# KiCad board Duet2.kicad_pcb (continued)
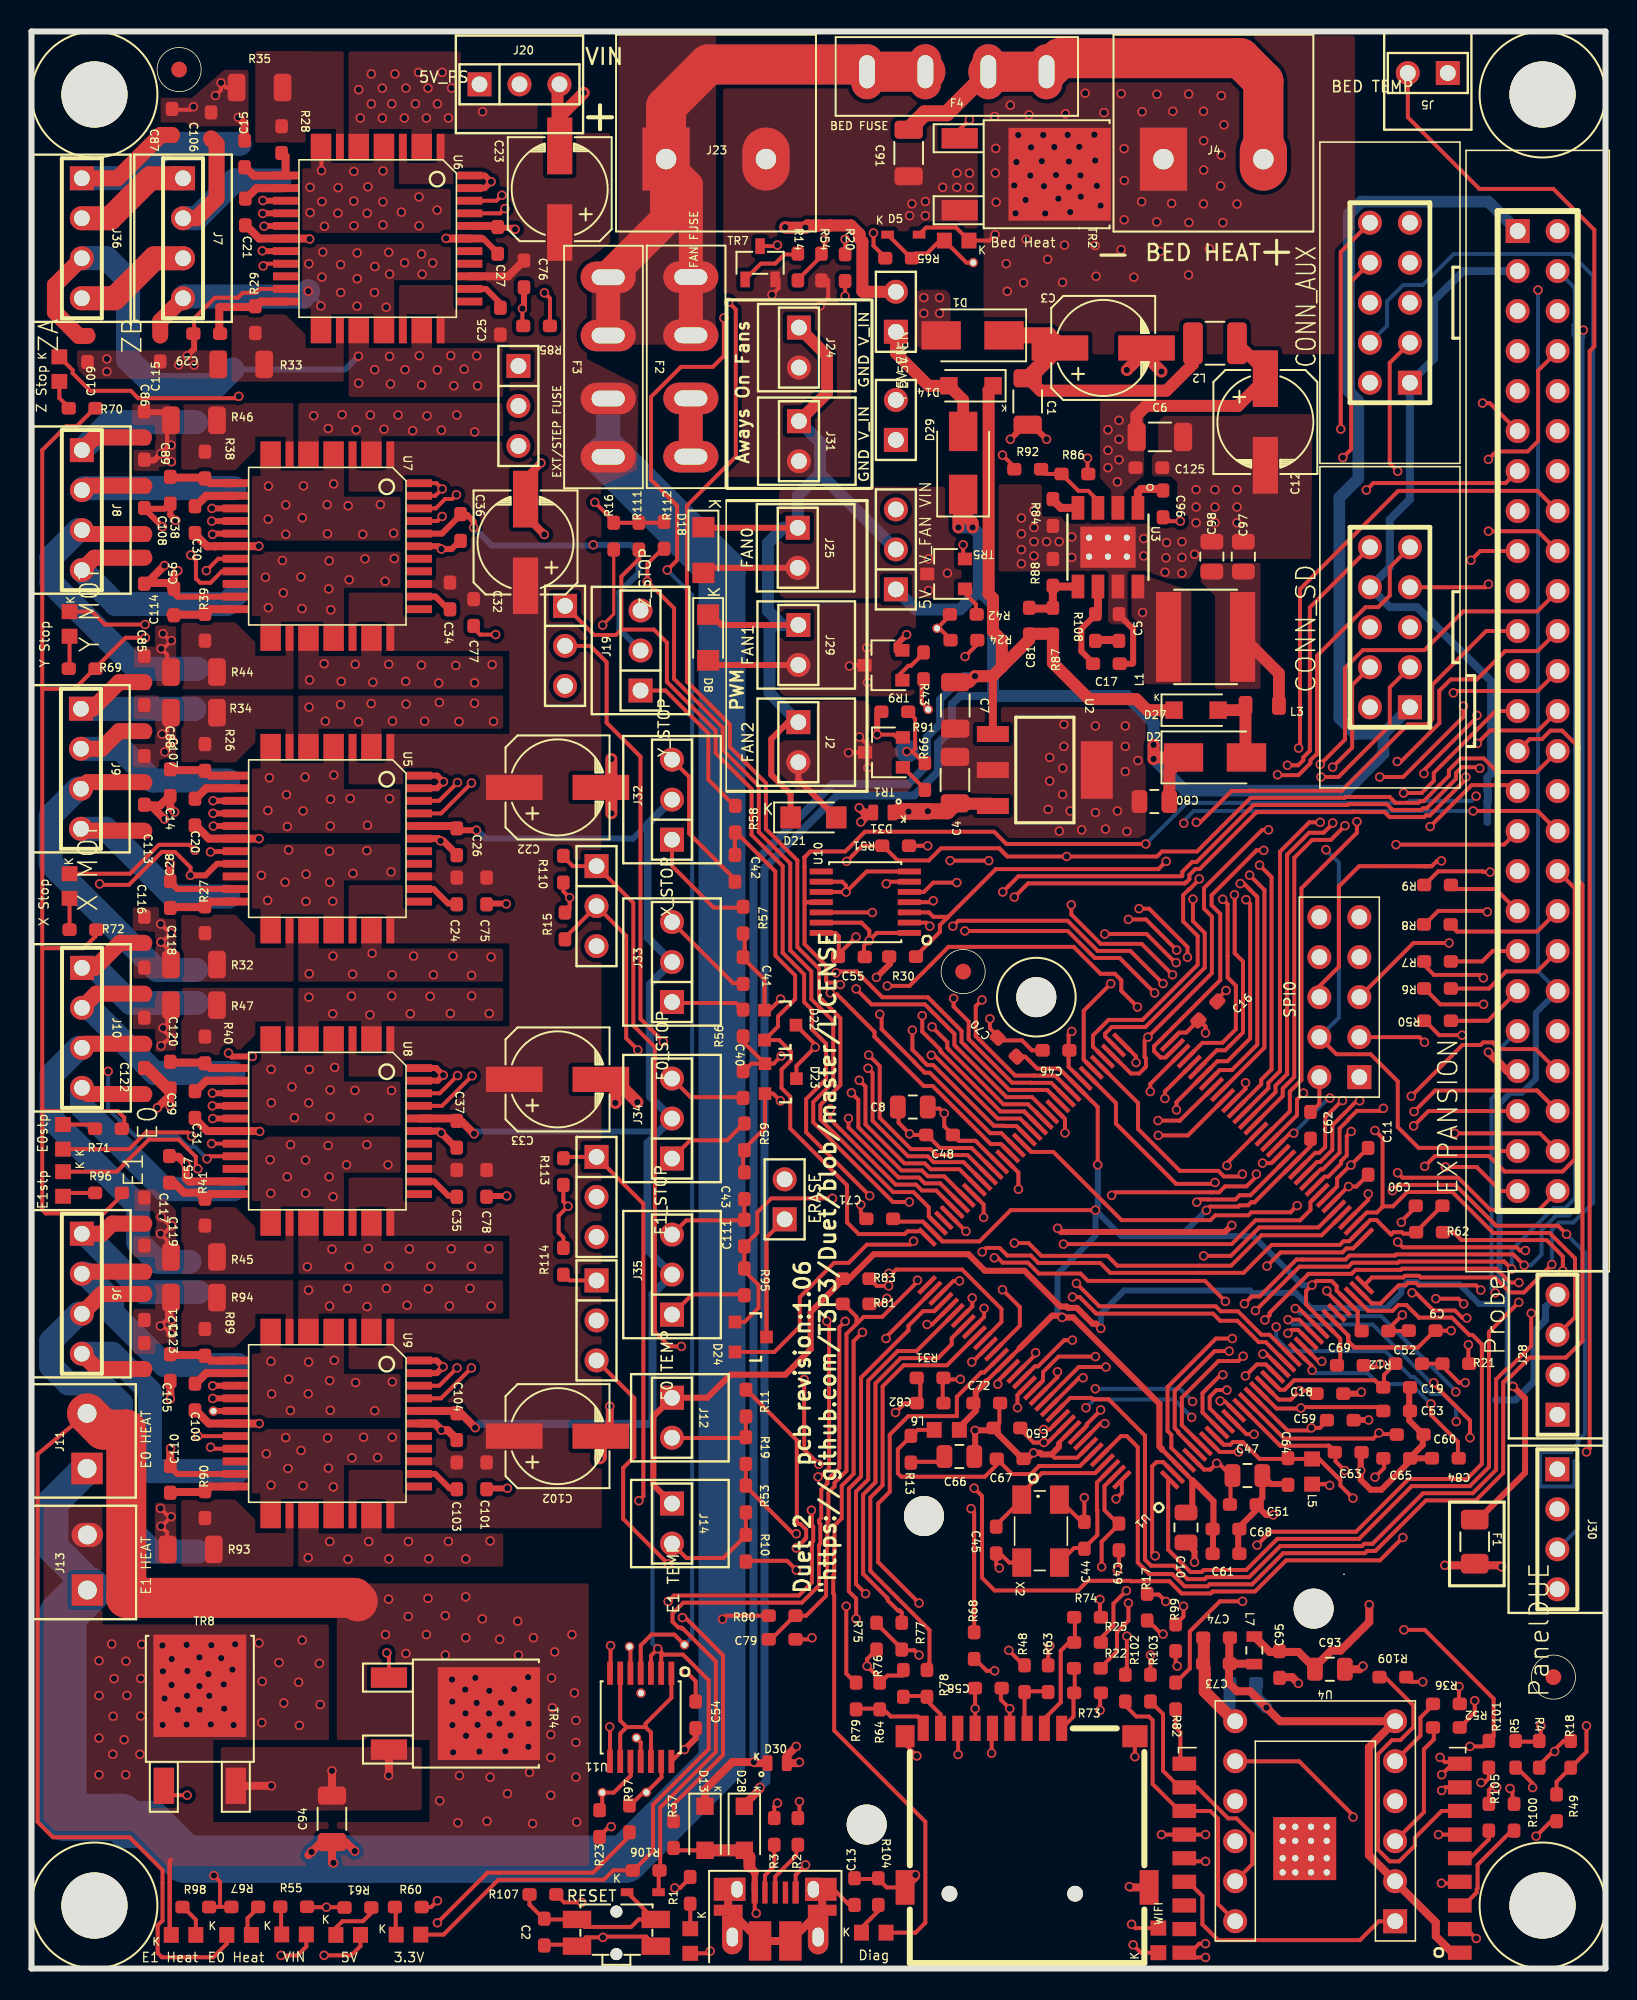
[diagram p0: board, top side]
## Routing (per net, layer and track width the routed paths; a pad name or vN(x,y) marks a point on that pad's centre or on a via; arc(x,y) is an arc through that point) (continued)
  In1.Cu w0.254: v1(40.13,58.86) 49.26,58.86 50.08,59.68 52.97,59.68 v1(53.89,60.59) ; v1(36.29,85.3) 35.21,85.3 TP2.2 31.77,86.12 31.77,88.03 31.16,88.65 31.16,89.68 31.11,89.68 28.59,92.2 v1(26.09,92.2)
Y_EN: length 82.4
  Top w0.254: v1(11.11,88.76) 11.86,89.52 U7.18 ; v1(52.39,62.2) 53.37,61.22 56.76,61.22 58.63,59.35 58.63,58.64 58.73,58.54 58.73,58.54 61.94,55.33 63.57,55.33 U1.86
  In1.Cu w0.254: v1(11.11,88.76) 11.11,86.88 12.52,85.47 30.49,85.47 31.48,84.48 31.48,82.56 32.6,81.45 TP2.3 37.65,77.7 37.65,72.55 39.6,70.59 42.23,70.59 42.6,70.96 52.23,70.96 53.09,70.1 53.09,68.7 51.39,67 51.39,65.1 52.39,64.1 v1(52.39,62.2)
Y_MOT_1A: length 13.8
  Top w1.016: 7.17,94.16 3.48,94.16 J8.2
  Bottom w1.524: 12.89,94.01 3.33,94.01 J8.2
  vias: v1(15.04,92.03) v1(15.05,94.13) v1(16.16,92.94) v1(16.16,91.07) v1(17.21,92.12) v1(17.28,94.15) v1(18.79,92.96) v1(18.81,91.11) v1(19.2,94.27) v1(20.12,92.89) v1(21.05,91.07) v1(22.17,92.96) v1(23,91.14)
Y_MOT_1B: length 12.3
  Top w1.016: 7.15,97.22 4,97.22 J8.1
  Bottom w1.524: 10.45,98.19 4.97,98.19 J8.1
  vias: v1(17.93,98.6) v1(18.85,97.79) v1(19.74,98.67) v1(20.63,97.71) v1(21.53,98.65) v1(22.4,97.74) v1(23.29,98.65) v1(24.22,97.65) v1(25.13,98.59) v1(26.04,97.69) v1(27.02,98.65) v1(28.16,97.57)
Y_MOT_2A: length 19.9
  Top w1.016: 7.17,91.09 3.45,91.09 J8.3
  Bottom w1.524: 10.54,82.53 6.72,82.53 1.27,87.98 1.27,89.62 2.99,91.34 J8.3
  vias: v1(17.67,81.82) v1(18.59,82.85) v1(19.68,81.73) v1(20.57,82.82) v1(21.69,81.68) v1(22.7,82.82) v1(23.77,81.73) v1(24.77,82.76) v1(25.87,81.63) v1(26.96,82.75) v1(28.15,81.64) v1(29.27,82.8)
Y_MOT_2B: length 17.4
  Top w1.016: 7.17,89.58 3.98,89.58 J8.4
  Bottom w1.524: 13.01,87.26 12.4,86.64 5.36,86.64 J8.4 4.74,87.26
  vias: v1(14.86,88.34) v1(15.05,86.41) v1(15.94,89.41) v1(16,87.35) v1(17.12,88.37) v1(17.19,86.35) v1(18.91,89.39) v1(18.89,87.6) v1(19.01,86.28) v1(20.18,88.18) v1(21.19,89.51) v1(22.47,88.09) v1(23.05,89.53)
Y_STEP: length 84.1
  Top w0.25: v1(27,93.58) 26.73,93.31 26.28,93.31 25.68,92.72 U7.42 ; 37.47,85.02 37.13,84.68 35.75,84.68 TP2.1 ; 37.47,85.02 39.54,85.02 40.37,84.19 40.37,81.7 43.46,78.62 43.46,77.19 45.75,74.9 45.75,71.99 47.72,70.01 47.72,64.5 49.09,63.13 49.09,61.37 49.58,60.87 49.58,59.63 50.48,58.73 50.48,56.48 49.21,55.21 49.21,53.11 v1(53.25,49.07) ; 37.47,85.02 37.47,88.39 38.59,89.5 R111.1 ; U1.119 61.62,41.06 61.62,41.89 59.12,44.39 54.93,44.39 54.69,44.14 v1(54.47,44.14)
  In1.Cu w0.25: TP2.1 33.9,87.58 27.89,93.58 v1(27,93.58) ; v1(54.47,44.14) 54.38,44.23 54.38,47.94 v1(53.25,49.07)
Y_STOP: length 26
  Top w0.254: 45.21,65.77 45.32,65.66 45.32,64.17 ; 45.21,64.17 46.57,62.81 D22.1 46.89,60.85 v1(47.59,61.55) ; v1(50.75,61.95) 50.85,61.85 51.18,61.85 53.56,59.47 53.56,59.16 56.68,56.04 57.25,56.04 60.94,52.35 61.6,52.35 U1.93
  In1.Cu w0.254: v1(50.75,61.95) 50.35,61.55 v1(47.59,61.55)
Y_STOP_CONN: length 62.3
  Top w0.254: v1(7.22,85.34) 4.67,85.34 3.85,86.16 D9.2 ; 45.21,67.37 43.34,67.37 40.69,70.01 J32.1
  In1.Cu w0.254: v1(7.22,85.34) 7.55,85.67 8.58,85.67 10.32,87.41 10.32,88.99 10.89,89.57 14.68,89.57 15.37,90.25 24.99,90.25 25.69,90.95 26.34,90.95 27.86,89.43 29.73,89.43 31.32,87.84 31.32,85.93 32.39,84.85 32.39,83.6 33.23,82.75 34.46,82.75 38.1,79.11 38.1,73.39 39.81,71.68 J32.1
Z_DIR: length 95.1
  Top w0.254: 63.07,54.42 U1.88 63.06,54.42 61.56,54.42 57.83,58.16 57.83,58.17 57.73,58.27 57.73,58.36 56.59,59.5 v1(56.59,60.5) ; U6.41 29.78,111.45 v1(30.08,111.75) ; v1(32.59,106.4) 32.94,106.05 R85.1
  In1.Cu w0.254: v1(30.08,111.75) 30.08,108.91 v1(32.59,106.4) 32.59,100.88 TP1.2 33.67,96.49 33.67,91.47 36.43,88.7 39.42,88.7 40.36,87.76 52.23,87.76 53.51,86.49 57.81,86.49 58.68,85.61 58.68,79.91 60.19,78.41 60.19,69.73 60.55,69.37 60.55,66.81 60.83,66.52 60.83,65.04 56.59,60.8 v1(56.59,60.5)
Z_EN: length 101.3
  Top w0.254: v1(55.96,59.58) 55.96,58.34 56.54,57.77 56.54,57.73 56.91,57.37 57.29,57.37 61.14,53.52 61.78,53.52 61.8,53.5 62.58,53.5 U1.90
  Top w0.381: v1(14.66,109.07) 14.68,109.05 U6.18
  In1.Cu w0.254: v1(14.66,109.07) 15.68,109.07 16.76,107.99 16.76,100.91 17.83,99.84 27.77,99.84 TP1.3 30.93,91.82 32.33,90.43 32.83,90.43 35.8,87.45 39.4,87.45 40.33,86.52 52.83,86.52 53.32,86.03 57.62,86.03 58.23,85.42 58.23,79.71 59.73,78.2 59.73,69.54 60.09,69.18 60.09,66.62 60.38,66.33 60.38,65.44 55.96,61.02 v1(55.96,59.58)
Z_MOT_1A: length 15.3
  Top w0.254: v1(18.42,114.17) 18.42,115.67 U6.10.1
  Top w1.016: 11.41,116.21 11.76,115.86 11.76,112.41 10.49,111.14 J7.2
  Bottom w1.524: 15.74,113.54 12.9,113.54 10.5,111.14 J7.2
  vias: v1(17.7,113.11) v1(17.7,111.5) v1(18.45,112.2) v1(18.61,110.63) v1(19.48,113.08) v1(19.47,111.46) v1(20.48,114.11) v1(20.47,112.23) v1(20.49,110.67) v1(21.33,111.46) v1(21.37,113.14) v1(22.33,114.15) v1(22.32,112.18) v1(22.33,110.72) v1(23.5,111.53) v1(24.62,112.5) v1(24.63,110.66) v1(25.77,111.66)
Z_MOT_1B: length 19.6
  Top w0.381: 5.03,113.68 J36.1
  Top w1.016: 8.93,116.43 8.22,116.43 5.46,113.68 J36.1
  Bottom w1.524: 13.24,115.86 8.64,115.86 6.46,113.68 J36.1
  vias: v1(20.79,119.3) v1(20.89,117.5) v1(21.59,120.3) v1(21.59,118.4) v1(22.29,119.4) v1(22.29,117.5) v1(22.89,118.4) v1(23.09,120.3) v1(23.69,117.5) v1(23.79,119.4) v1(24.39,118.4) v1(24.59,120.4) v1(25.09,117.5) v1(25.19,119.4) v1(25.79,118.4) v1(26.09,120.4) v1(26.49,117.5) v1(26.69,119.4) v1(28.66,117.91)
Z_MOT_2A: length 31.5
  Top w1.016: 3.56,103.66 3.01,103.66 1.49,105.18 1.49,106.89 J36.3
  Bottom w0.381: v1(20.77,102.38) 19.94,101.54 12.78,101.54
  Bottom w1.524: 11.53,100.54 11.54,100.53 ; 11.53,100.54 7.78,100.54 6.13,102.18 6.13,107.24 4.77,108.6 J36.3 ; 11.53,100.54 11.78,100.54 12.78,101.54
  vias: v1(20.78,100.67) v1(21.8,101.52) v1(22.75,102.37) v1(22.81,100.62) v1(23.73,101.52) v1(24.64,102.42) v1(24.79,100.55) v1(25.78,101.51) v1(26.64,102.42) v1(26.83,100.51) v1(27.49,101.55) v1(28.29,102.4) v1(28.34,100.5)
Z_MOT_2B: length 12.4
  Top w0.254: v1(17.58,106.51) 17.58,106.54
  Top w1.016: 8.18,103.69 8.18,104.61 J7.4
  Bottom w0.254: v1(18.38,105.57) 18.38,105.71 v1(17.58,106.51)
  Bottom w1.524: v1(17.58,106.51) 17.25,106.17 9.74,106.17 J7.4
  vias: v1(17.62,108.25) v1(18.51,108.99) v1(18.45,107.41) v1(19.64,108.2) v1(19.64,106.42) v1(20.69,108.94) v1(20.69,107.3) v1(20.68,105.56) v1(21.81,108.07) v1(21.79,106.43) v1(22.53,105.49) v1(22.69,108.98) v1(22.75,107.59) v1(23.7,108.31) v1(24.78,108.87) v1(24.82,107.59) v1(25.49,108.3)
Z_PROBE_IN: length 19.1
  Top w0.254: 89.62,46.75 90.35,46.75 90.85,46.25 96.26,46.25 97.29,45.22 v1(97.29,44.3)
  In1.Cu w0.254: v1(97.29,44.3) 98.05,43.54 98.05,37.09 96.95,35.99 J28.1
Z_PROBE_MCU: length 52.5
  Top w0.25: v1(60.4,45.5) 60.65,45.76 61.51,45.76 61.99,45.27 63.49,45.27 63.97,44.8 67.9,44.8 68.53,44.17 74.02,44.17 77.01,44.17 78.79,45.95 83.13,45.95 83.36,46.18 83.71,46.18 U1.38 ; D24.2 47.2,39.15 48.81,40.76 48.81,42.62 51,44.81 51.92,44.81 53.07,45.96 55.82,45.96 v1(56.04,46.18)
  Top w0.254: 89.59,48.41 87.84,46.66 87.15,46.66 87.05,46.76 86.53,46.76 86.39,46.61 86.37,46.61 85.45,47.53 85.06,47.53 U1.38
  In1.Cu w0.25: v1(60.4,45.5) 56.72,45.5 v1(56.04,46.18)
Z_PROBE_MOD: length 65.6
  Top w0.25: 85.86,48.39 85.47,48.01 84.83,48.01 U1.39 ; 85.86,48.39 86.49,48.39 87.4,49.31 90.27,49.31 92.86,46.71 96.45,46.71 98.06,45.09 98.06,41.36 J28.3 ; 85.86,48.39 85.84,48.42 85.84,52.73 v1(85.35,53.21) ; 55.77,68.36 56.7,68.36 57.29,68.95 v1(58.79,68.95) ; v1(71.35,61.95) 69.13,64.17 67.55,64.17 65.84,65.88 v1(59.3,65.88)
  In1.Cu w0.25: v1(71.35,61.95) 72.1,61.19 73.68,61.19 75.22,59.66 75.22,59.56 82.27,52.5 84.64,52.5 v1(85.35,53.21) ; v1(59.3,65.88) 59.19,66 59.19,68.56 v1(58.79,68.95)
Z_PROBE_MOD_BUFF: length 84.2
  Top w0.25: v1(54.31,68.88) 54.44,69.01 55.77,69.01 ; v1(52.79,40.4) 52.23,39.84 52.23,31.41 51.48,30.66 51.48,28.59 51.02,28.13 51.02,26.6 51,26.58 51,25.02 50.94,24.96 50.94,23.82 51,23.76 51,15.11 56.79,9.32 56.79,2.9 56.16,2.28 D4.1
  In1.Cu w0.25: v1(54.31,68.88) 55.19,67.99 55.19,62.17 54.52,61.5 54.52,60.33 54.4,60.22 54.4,56.69 52.32,54.61 51.64,54.61 51.37,54.34 51.37,54.32 50.91,53.85 48.24,53.85 45.89,51.5 45.89,44.3 49.79,40.4 v1(52.79,40.4)
Z_STEP: length 95.2
  Top w0.25: v1(55.77,48.68) 54.73,48.68 49.67,53.74 49.67,55.02 50.94,56.29 50.94,60.16 49.54,61.55 49.54,63.32 48.21,64.66 48.21,70.17 46.2,72.17 46.2,75.09 43.91,77.38 43.91,78.8 40.82,81.89 40.82,86.38 v1(39.13,88.08) 39.13,89.19 40.14,90.2 ; v1(56.9,40.9) 57.22,40.9 U1.113 ; U6.42 29.54,112.25 v1(29.89,112.6)
  In1.Cu w0.25: v1(39.13,88.08) 39.05,88.15 36.34,88.15 33.21,91.28 33.21,96.28 31.56,97.93 30.69,97.93 29.85,98.77 29.85,100.68 TP1.1 29.09,103.61 29.09,111.8 v1(29.89,112.6) ; v1(55.77,48.68) 55.29,48.2 55.29,42.5 v1(56.9,40.9)
Z_STOP: length 37.6
  Top w0.25: 44.71,72.18 44.73,72.18 47.26,69.66 47.26,64.32 48.52,63.06 48.52,61.55 47.43,60.46 47.43,59.81 D22.2 47.51,58.95 48.26,58.2 48.26,57.68 47.65,57.08 47.65,55.91 48.21,55.35 48.21,53.34 51.82,49.73 51.82,47.38 52.56,46.63 55.48,46.63 55.65,46.81 56.53,46.81 U1.108
  Top w0.254: 44.71,72.18 44.69,72.16 44.69,70.66
Z_STOP_CONN: length 61.8
  Top w0.254: J19.1 40.28,81.15 43,78.43 43,75.49 44.71,73.78 ; v1(13.17,99.83) 13.05,99.71 6.78,99.71 6.31,100.18 3.73,100.18 2.62,101.29 2.62,101.49 D10.2
  In1.Cu w0.254: v1(13.17,99.83) 13.61,99.39 27.31,99.39 29.37,97.33 29.37,92.74 32.14,89.98 32.64,89.98 36.38,86.23 36.65,86.23 37.02,85.86 37.02,81.81 37.68,81.15 J19.1
Net-(C2-Pad1): length 12.4
  Top w0.254: 38.1,2.64 35.14,2.64 S1.4 ; S1.3 38.58,3.12 38.16,2.69 ; 39.57,3.12 D25.1 ; S1.4 32.58,3.12 31.64,4.06 R107.1 ; S1.4 35.08,2.69
Net-(C13-Pad1): length 18.2
  Top w0.254: J22.CE 44.52,3.44 J22.CE J22.CE ; J22.CE 49.97,3.44 J22.CE J22.CE ; 52.29,4.08 51.91,4.08 50.96,5.03 J22.CE
  Top w0.508: J22.CE 44.26,4.94 J22.CE 44.34,3.7 J22.CE J22.CE 50.16,3.7 J22.CE 50.24,4.94
Net-(C14-Pad1): length 4.3
  Top w0.508: U5.12 11.37,75.75 11.02,76.1 8.82,76.1
Net-(C15-Pad1): length 4.4
  Top w0.508: 15.89,115.33 16.14,115.08 U6.12 14.12,113.85 13.54,114.43
Net-(C20-Pad1): length 2.9
  Top w0.508: 10.39,74.23 11.1,74.95 U5.13
Net-(C21-Pad1): length 2.9
  Top w0.508: 13.58,112.34 14.3,113.05 U6.13
Net-(C24-Pad2): length 2.8
  Top w0.381: 27.02,67.62 26.47,67.62 25.55,68.55 U5.35
Net-(C25-Pad2): length 2.5
  Top w0.381: 29.76,105.57 29.76,105.77 28.87,106.65 U6.35
Net-(C28-Pad1): length 4.3
  Top w0.508: U5.22 11.37,67.75 11.02,67.4 8.82,67.4
Net-(C29-Pad1): length 6
  Top w0.508: 11.93,105.5 11.93,103.81 ; U6.22 14.57,105.85 14.22,105.5 11.93,105.5
Net-(C30-Pad1): length 2.9
  Top w0.508: 10.39,92.8 11.1,93.52 U7.13
Net-(C31-Pad1): length 2.9
  Top w0.508: 10.39,55.66 11.1,56.38 U8.13
Net-(C34-Pad2): length 2.3
  Top w0.381: 26.59,86.19 25.66,87.12 U7.35
Net-(C35-Pad2): length 2.8
  Top w0.381: 27.02,49.06 26.5,49.06 25.57,49.98 U8.35
Net-(C38-Pad1): length 4.3
  Top w0.508: 8.82,94.67 11.02,94.67 11.37,94.32 U7.12
Net-(C39-Pad1): length 4.3
  Top w0.508: U8.12 11.37,57.18 11.02,57.53 8.82,57.53
Net-(C44-Pad1): length 7.7
  Top w0.254: X2.3 66.24,26.7 66.89,26.7 67.72,27.53 67.72,29.11 67.69,29.13 67.69,30.87 U1.142
Net-(C45-Pad1): length 8.9
  Top w0.254: U1.141 67.57,31.45 64.19,31.45 62.91,30.17 X2.1 61.49,28.35 61.49,28
Net-(C56-Pad1): length 4.3
  Top w0.508: U7.22 11.37,86.32 11.02,85.97 8.82,85.97
Net-(C57-Pad1): length 4.8
  Top w0.508: U8.22 11.37,49.18 11.02,48.83 10.58,49.27 9.68,49.27 9.01,49.94 8.76,49.94
Net-(C66-Pad1): length 2.3
  Top w0.254: 58.05,32.51 57.71,32.17 55.87,32.17
Net-(C67-Pad1): length 18.6
  Top w0.254: L6.2 56.3,34.2 55.87,33.77 55.84,33.77 55.04,32.97 55.04,31.45 55.26,31.23 60.56,31.23 61.33,31.99 C67.1 62.29,31.4 63.5,31.4 64.01,31.91 66.61,31.91 U1.139
Net-(C100-Pad1): length 2.9
  Top w0.508: 10.39,37.09 11.1,37.81 U9.13
Net-(C103-Pad2): length 2.8
  Top w0.381: 27.02,30.49 26.57,30.49 25.64,31.41 U9.35
Net-(C105-Pad1): length 4.3
  Top w0.508: 8.82,38.96 11.02,38.96 11.37,38.61 U9.12
Net-(C110-Pad1): length 4.3
  Top w0.508: U9.22 11.37,30.61 11.02,30.26 8.82,30.26
Net-(D3-Pad2): length 1.6
  Top w0.254: D3.2 41.85,4.16
Net-(D4-Pad2): length 2.3
  Top w0.254: 53.8,4.08 53.8,3.65 52.73,2.59 D4.2 52.71,2.3
Net-(D7-Pad1): length 2.1
  Top w0.254: 13.72,2.15 13.72,3.18 14.45,3.91
Net-(D9-Pad1): length 2.1
  Top w0.254: D9.1 2.42,82.54
Net-(D10-Pad1): length 2
  Top w0.254: 2.42,99.08 1.77,99.73 D10.1
Net-(D11-Pad1): length 2.4
  Top w0.254: 4.29,53.32 4.02,53.59 D11.1
Net-(D12-Pad1): length 1.9
  Top w0.254: D12.1 2.42,66.01
Net-(D15-Pad2): length 1.8
  Top w0.254: D15.2 15.86,2.2 15.86,3.92
Net-(D16-Pad2): length 1.8
  Top w0.254: D16.2 23.14,2.18 23.14,3.9
Net-(D17-Pad2): length 3.4
  Top w0.254: 21.54,3.87 21.54,3.48 21.06,3 19.76,3 19.34,2.58 D17.2
Net-(D19-Pad1): length 2.2
  Top w0.254: 4.09,49.25 2.22,49.25 D19.1
Net-(D20-Pad1): length 2.1
  Top w0.254: D20.1 10.44,3.1 9.64,3.9
Net-(D26-Pad2): length 40
  Top w0.25: v1(69.99,1.5) 70.49,1 D26.2 ; v1(88.39,18.2) 87.64,18.2 R109.1
  In1.Cu w0.25: v1(69.99,1.5) 71.29,1.5 74.09,4.3 87.19,4.3 90.99,8.1 90.99,12.5 92.39,13.9 92.39,14.9 91.29,16 89.59,16 88.39,17.2 v1(88.39,18.2)
Net-(J15-Pad1): length 4.2
  Top w0.254: 66.28,19.06 66.28,17.58 66.2,17.5 66.2,16 J15.1
Net-(J15-Pad2): length 7.9
  Top w0.254: 66.29,22.2 66.29,20.76 66.26,20.73 65.94,20.73 65.39,20.18 65.39,16.9 64.35,15.87 J15.2
Net-(J15-Pad3): length 3.9
  Top w0.254: J15.3 63.09,15.41 63.09,17.6 63.09,17.6 64.59,17.6
Net-(J15-Pad5): length 8.5
  Top w0.254: v1(61,13.68) 61,15.2 J15.5 ; v1(61.19,18.9) 60.69,18.9 59.89,19.7
  In1.Cu w0.254: v1(61.19,18.9) 61,18.71 v1(61,13.68)
Net-(J15-Pad7): length 12.5
  Top w0.254: v1(58.87,13.59) 58.87,15.23 J15.7 ; v1(56.39,19.9) 56.09,20.2 55.39,20.2 53.79,21.8
  In1.Cu w0.254: v1(58.87,13.59) 56.25,16.21 56.25,19.76 v1(56.39,19.9)
Net-(J15-Pad8): length 3.6
  Top w0.254: 55.39,17.3 56.89,17.3 ; J15.8 57.75,16.14 56.89,17
Net-(J15-Pad9): length 4.8
  Top w0.254: J15.9 56.64,15.26 56.64,15.67 56.31,16 54.59,16 54.09,16.5 52.59,16.5
Net-(J22-Pad2): length 3.3
  Top w0.254: J22.2 46.6,5.91 47.19,6.5 47.19,7.9
Net-(J22-Pad3): length 3.6
  Top w0.254: J22.3 47.25,5.83 48.59,7.17 48.59,7.9
Net-(J36-Pad2): length 7.5
  Top w1.524: J7.1 7.54,113.68 5,111.14 J36.2
Net-(J36-Pad4): length 7.5
  Top w1.524: J7.3 7.82,108.6 5.28,106.06 J36.4
Net-(R14-Pad1): length 4.1
  Top w0.254: TR7.G 46.34,108.26 47.25,108.26 47.83,108.84 48.79,108.84
Net-(R23-Pad1): length 25.7
  Top w0.254: 22.71,19.91 TR4.G ; v1(36.83,9.01) 36.69,9.01 36.09,8.4
  In1.Cu w0.254: v1(36.83,9.01) 36.89,9.07 36.89,11.81 35.31,13.39 35.31,18.08 34.19,19.2 23.41,19.2 v1(22.58,20.04)
Net-(R42-Pad1): length 2
  Top w0.254: 60,85.99 60,86.62 59.03,87.59
Net-(R43-Pad1): length 2.4
  Top w0.254: 56.68,83.52 55.87,82.72 55.7,82.72 55.18,82.2 55.18,81.8
Net-(R49-Pad1): length 12.1
  Top w0.254: 90.56,2.4 91.29,2.4 v1(91.79,1.9) ; 96.89,9.4 96.59,9.4 v1(95.59,8.4)
  In1.Cu w0.254: v1(95.59,8.4) 94.09,8.4 91.79,6.1 v1(91.79,1.9)
Net-(R66-Pad1): length 2
  Top w0.254: 55.38,76.27 56.76,74.89
Net-(R97-Pad1): length 37.1
  Top w0.254: v1(9.89,11) 9.01,11 TR8.G ; v1(25.79,2.9) 28.97,6.08 35.67,6.08 37.99,8.4 37.99,8.7
  In1.Cu w0.254: v1(25.79,2.9) 15.69,2.9 9.89,8.7 v1(9.89,11)
Net-(R100-Pad1): length 6.3
  Top w0.254: 90.73,4 90.99,4 91.82,4.83 91.82,5.03 91.87,5.09 91.87,6.59 94.09,8.8
Net-(R101-Pad1): length 9.7
  Top w0.254: 90.46,5.5 90.36,5.4 89.59,5.4 v1(89.58,5.42) ; 92.59,12.8 92.59,12.07 92.32,11.8 v1(92.09,11.8)
  In1.Cu w0.254: v1(92.09,11.8) 92.09,7.9 89.6,5.42 v1(89.58,5.42)
Net-(R105-Pad1): length 2.9
  Top w0.254: R105.1 92.59,8.2 91.39,7 90.73,7
Net-(R109-Pad2): length 20.4
  Top w0.25: U4.7 89.59,10 87.89,8.3 87.89,7.8 86.89,6.8 86.29,6.8 85.55,7.55 85.55,13.61 86.44,14.5 86.97,14.5 87.79,15.32 87.79,16.7 85.99,18.5 R109.2
Net-(U11-Pad1): length 13.6
  Top w0.254: 39.01,15.33 39.35,14.99 39.35,13.15 ; 39.01,15.33 37.81,15.33 ; 39.01,15.33 39.01,15.55 40.65,17.19 40.65,18.75 ; 37.81,15.33 37.4,14.92 U11.9 ; 37.81,15.33 37.4,15.74 U11.6

## Copper pours and planes (outline as drawn; the poured copper is in the pictures)
+3.3V on Bottom: 57.49,71.1 71.09,71.1 71.09,74.3 93.39,74.3 93.39,22.1 76.69,22.1 60.79,6.36 47.07,6.36 47.09,74.3 57.49,74.3
/Power Supplies/5v_in on Top, Bottom: 69.39,93.65 69.39,92.05 68.59,92.05 68.59,93.85 67.89,94.65 67.89,99.55 70.69,99.55 70.69,94.85
/Power Supplies/5vout on Top: 75.19,81.25 75.19,87.15 74.29,88.05 74.29,89.25 78.09,89.25 78.09,81.25
/Power Supplies/5vsw on Top: 70.69,81.55 70.69,84.95 69.89,85.85 69.89,88.45 70.79,88.45 73.69,87.45 73.69,81.55
GND on Top: 12.44,100.96 9.26,100.96 9.26,100.96 9.02,100.96 9.02,100.99 7.5,100.99 7.5,100.94 2.89,100.94 2.89,102.74 9.02,102.74 9.02,102.76 12.44,102.76
GND on Top: 13.79,116.98 10.16,116.97 10.16,116.99 10.04,116.99 9.81,117.22 8.2,117.22 8.2,118.79 10.18,118.79 10.18,118.77 12.25,120.57 13.79,120.57
GND on Top: 9.19,39.63 7.86,39.63 7.87,39.02 6.46,39.02 6.46,41.89 7.84,41.89 7.84,41.49 7.84,43.5 9.19,43.5
GND on Top: 9.19,25.71 9.19,29.58 7.84,29.58 7.84,25.71
GND on Top: 9.18,48.15 9.19,48.15 9.19,44.28 7.84,44.28 7.84,45.16 6.45,45.16 6.45,46.52 7.8,46.52 7.8,46.53 7.84,46.53 7.84,47.95 7.7,48.09 6.54,48.09 6.54,49.5 7.83,49.5
GND on Top: 9.19,58.2 7.84,58.2 7.84,59.65 6.44,59.65 6.44,61.01 7.84,61.01 7.84,62.07 9.19,62.07
GND on Top: 8.11,80.64 9.19,80.64 9.19,76.77 8.12,76.77 8.12,76.27 6.45,76.27 6.45,77.77 7.84,77.77 7.84,79.31 6.51,79.31 6.51,80.84 8.11,80.84
GND on Top: 8.86,99.21 9.19,99.21 9.19,95.34 8.1,95.34 8.1,95.08 6.48,95.08 6.48,96.44 7.84,96.44 7.84,98.02 6.39,98.02 6.39,98.12 6.41,99.49 8.86,99.49
GND on Top: 9.19,81.42 7.84,81.42 7.84,82.61 6.5,82.61 6.5,83.94 7.84,83.94 7.84,85.29 9.19,85.29
GND on Top: 8.11,66.72 9.19,66.72 9.19,62.85 7.84,62.85 7.84,62.86 6.47,62.86 6.47,64.2 7.79,64.2 7.84,64.19 7.84,65.83 7.84,65.82 6.44,65.82 6.44,67.4 8.11,67.4
GND on Top: 12.03,14.06 12.03,10.01 24.79,10.04 24.79,14.06
GND on Top: 70.79,71.4 70.79,80.1 57.79,80.1 57.79,71.4
GND on Top: 74.29,89.5 73.59,88.25 71.49,88.25 71.09,88.7 69.79,88.7 69.69,88.6 69.69,85.55 69.49,85.35 68.59,85.35 68.39,85.55 68.39,88.6 68.29,88.7 60.99,88.7 60.79,88.9 60.79,93.9 61.09,94.25 64.19,94.25 64.19,92.3 64.29,92.2 65.39,92.2 65.69,91.85 70.79,91.85 71.09,91.55 72.39,91.55 72.79,91.95 72.79,94.35 72.39,94.75 71.29,94.75 71.19,94.85 71.19,96.05 71.59,96.45 71.59,98.25 72.09,98.7 81.39,98.7 81.29,89.5
GND on Top, Bottom: 43.94,121.43 60.11,121.44 60.11,110.3 52.09,110.3 52.02,94.7 43.96,94.7
GND on Bottom: 70.79,71.4 70.79,80.1 57.79,80.1 57.79,71.4
GND on Bottom: 81.29,81.6 60.49,81.6 60.49,96.6 67.89,96.6 67.89,99.7 81.29,99.7
GND on In2.Cu: 100.09,0 0,-0.01 -0.01,123 99.99,123
BED- on Top: 84.09,102.5 84.09,123 60.49,123 60.49,102.48
BED- on Bottom: 84.39,102.5 84.39,121.7 50.19,121.7 50.19,102.5
E0- on Top: 35.41,6.51 19.4,6.51 19.4,9.3 25.29,9.3 25.3,14.5 19.4,14.5 19.4,24.46 35.41,24.46
E0- on Bottom: 19.4,24.46 35.41,24.46 35.41,21.84 35.4,21.84 35.39,8.6 19.39,8.6
E0_MOT_1A on Top: 19.85,59.83 19.85,56.32 23.44,56.32 23.45,53.53 14,53.53 14,57.63 14.55,57.63 14.55,59.83 15.84,59.83 15.84,57.98 18.55,57.98 18.55,59.83
E0_MOT_1A on Bottom: 11.95,57.63 38.1,57.63 38.1,53.53 11.95,53.53
E0_MOT_1B on Top: 29.97,60.16 22.25,60.16 22.25,58.3 20.95,58.3 20.95,60.16 18.24,60.16 18.24,58.3 16.95,58.3 16.95,62.27 29.97,62.27
E0_MOT_1B on Bottom: 38.1,58.23 9.52,58.23 9.52,62.27 38.1,62.27
E0_MOT_2A on Top: 16.95,48.1 18.24,48.1 18.24,46.2 20.95,46.2 20.95,48.04 22.24,48.04 22.24,46.2 29.97,46.2 29.97,44.08 16.95,44.08
E0_MOT_2A on Bottom: 38.1,44.08 9.52,44.08 9.52,48.13 38.1,48.13
E0_MOT_2B on Top: 23.45,50.53 19.85,50.53 19.85,46.53 18.55,46.53 18.55,48.38 15.85,48.38 15.84,46.53 14.55,46.53 14.55,48.73 14,48.73 14,52.83 23.45,52.83
E0_MOT_2B on Bottom: 38.1,48.73 11.95,48.73 11.95,52.83 38.1,52.83
E1- on Top: 18.89,6.51 0.53,6.51 0.53,29.38 4.52,29.38 4.52,21.85 18.89,21.85 18.91,14.5 11.56,14.5 11.55,9.3 18.88,9.3
E1- on Bottom: 18.89,6.52 0.53,6.52 0.53,29.38 4.52,29.38 4.52,24.46 18.89,24.46
E1_MOT_1A on Top: 19.85,41.26 19.85,37.75 23.44,37.75 23.45,34.96 14,34.96 14,39.06 14.55,39.06 14.55,41.26 15.84,41.26 15.84,39.41 18.55,39.41 18.55,41.26
E1_MOT_1A on Bottom: 11.95,39.06 38.1,39.06 38.1,34.96 11.95,34.96
E1_MOT_1B on Top: 29.97,41.59 22.25,41.59 22.25,39.73 20.95,39.73 20.95,41.59 18.24,41.59 18.24,39.73 16.95,39.73 16.95,43.7 29.97,43.7
E1_MOT_1B on Bottom: 38.1,39.66 9.52,39.66 9.52,43.7 38.1,43.7
E1_MOT_2A on Top: 16.95,29.53 18.24,29.53 18.24,27.63 20.95,27.63 20.95,29.47 22.24,29.47 22.24,27.63 29.97,27.63 29.97,25.51 16.95,25.51
E1_MOT_2A on Bottom: 38.1,25.51 9.52,25.51 9.52,29.56 38.1,29.56
E1_MOT_2B on Top: 23.45,31.96 19.85,31.96 19.85,27.96 18.55,27.96 18.55,29.81 15.85,29.81 15.84,27.96 14.55,27.96 14.55,30.16 14,30.16 14,34.26 23.45,34.26
E1_MOT_2B on Bottom: 38.1,30.16 11.95,30.16 11.95,34.26 38.1,34.26
FAN0- on Top: 59.09,94.09 59.09,87 47.49,87 47.46,90.4 47.49,94.1 49.74,94.1
FAN0- on Bottom: 58.29,94.1 58.29,87 47.49,87 47.49,94.1
FAN1- on Top: 47.49,80.8 47.49,86.7 56.19,86.7 56.19,80.8 53.78,80.78
FAN1- on Bottom: 56.19,86.7 47.49,86.7 47.49,80.79 56.19,80.79
FAN2- on Top: 47.43,77.99 49.86,77.99 49.86,80.51 53.3,80.51 53.3,77.92 55.94,77.94 55.94,74.71 47.46,74.69 47.46,74.86
FAN2- on Bottom: 47.49,74.69 47.49,80.46 56.23,80.46 56.24,74.69
V_FUSED on Top: 23.84,114.66 25.75,114.66 25.75,116.5 36.77,116.55 36.76,109.6 35.29,108.4 35.29,102.2 38.56,100.54 38.48,95.18 36.2,94.12 36.23,27.96 30.35,27.96 30.35,27.96 22.55,27.96 22.55,29.76 20.65,29.76 20.65,27.96 20.14,27.96 20.14,31.66 23.64,31.66 23.64,30.16 25.64,30.16 25.64,31.96 23.84,31.96 23.84,32.46 25.64,32.46 25.64,39.06 23.64,39.06 23.64,38.06 20.14,38.06 20.14,41.26 20.64,41.26 20.64,39.46 22.54,39.46 22.54,41.26 30.35,41.26 30.35,46.53 22.55,46.53 22.55,48.33 20.65,48.33 20.65,46.53 20.14,46.53 20.14,50.23 23.64,50.23 23.64,48.73 25.64,48.73 25.64,50.53 23.84,50.53 23.84,51.03 25.64,51.03 25.64,57.63 23.64,57.63 23.64,56.63 20.14,56.63 20.14,59.83 20.64,59.83 20.64,58.03 22.54,58.03 22.54,59.83 30.35,59.83 30.35,65.1 22.55,65.1 22.55,66.9 20.65,66.9 20.65,65.1 20.14,65.1 20.14,68.8 23.64,68.8 23.64,67.3 25.64,67.3 25.64,69.1 23.84,69.1 23.84,69.6 25.64,69.6 25.64,76.2 23.64,76.2 23.64,75.2 20.14,75.2 20.14,78.4 20.64,78.4 20.64,76.6 22.54,76.6 22.54,78.4 30.35,78.4 30.35,83.67 22.55,83.67 22.55,85.47 20.65,85.47 20.65,83.67 20.14,83.67 20.14,87.37 23.64,87.37 23.64,85.87 25.64,85.87 25.64,87.67 23.84,87.67 23.84,88.17 25.64,88.17 25.64,94.77 23.64,94.77 23.64,93.77 20.14,93.77 20.14,96.97 20.64,96.97 20.64,95.17 22.54,95.17 22.54,96.97 30.35,96.97 30.35,103.2 25.75,103.2 25.75,105.06 23.84,105.06 23.84,103.2 23.35,103.2 23.35,106.9 26.84,106.9 26.84,105.4 28.85,105.4 28.85,114.31 26.84,114.31 26.84,113.3 23.35,113.3 23.35,116.5 23.84,116.5
V_FUSED on Top, Bottom: 58.39,102.9 56.09,102.9 56.09,106.6 58.39,106.6
V_FUSED on In1.Cu: 58.48,101.96 52.72,101.95 48.79,97.15 34.92,97.15 34.9,102.29 43.34,102.29 47.74,106.69 58.48,106.7
V_IN on Top, Bottom: 43.49,103.1 35.59,103.1 35.59,107.7 37.29,109.4 37.29,122.7 43.49,122.7
X_MOT_1A on Top: 19.85,78.4 19.85,74.89 23.44,74.89 23.45,72.1 14,72.1 14,76.2 14.55,76.2 14.55,78.4 15.84,78.4 15.84,76.55 18.55,76.55 18.55,78.4
X_MOT_1A on Bottom: 11.95,76.2 38.1,76.2 38.1,72.1 11.95,72.1
X_MOT_1B on Top: 29.97,78.73 22.25,78.73 22.25,76.87 20.95,76.87 20.95,78.73 18.24,78.73 18.24,76.87 16.95,76.87 16.95,80.84 29.97,80.84
X_MOT_1B on Bottom: 38.1,76.8 9.52,76.8 9.52,80.84 38.1,80.84
X_MOT_2A on Top: 16.95,66.67 18.24,66.67 18.24,64.77 20.95,64.77 20.95,66.61 22.24,66.61 22.24,64.77 29.97,64.77 29.97,62.65 16.95,62.65
X_MOT_2A on Bottom: 38.1,62.65 9.52,62.65 9.52,66.7 38.1,66.7
X_MOT_2B on Top: 23.45,69.1 19.85,69.1 19.85,65.1 18.55,65.1 18.55,66.95 15.85,66.95 15.84,65.1 14.55,65.1 14.55,67.3 14,67.3 14,71.4 23.45,71.4
X_MOT_2B on Bottom: 38.1,67.3 11.95,67.3 11.95,71.4 38.1,71.4
Y_MOT_1A on Top: 19.85,96.97 19.85,93.46 23.44,93.46 23.45,90.67 14,90.67 14,94.77 14.55,94.77 14.55,96.97 15.84,96.97 15.84,95.12 18.55,95.12 18.55,96.97
Y_MOT_1A on Bottom: 11.95,94.77 38.1,94.77 38.1,90.67 11.95,90.67
Y_MOT_1B on Top: 29.97,97.3 22.25,97.3 22.25,95.44 20.95,95.44 20.95,97.3 18.24,97.3 18.24,95.44 16.95,95.44 16.95,99.41 29.97,99.41
Y_MOT_1B on Bottom: 38.09,95.37 9.52,95.37 9.52,99.41 38.09,99.41
Y_MOT_2A on Top: 16.95,85.24 18.24,85.24 18.24,83.34 20.95,83.34 20.95,85.18 22.24,85.18 22.24,83.34 29.97,83.34 29.97,81.22 16.95,81.22
Y_MOT_2A on Bottom: 38.1,81.22 9.52,81.22 9.52,85.27 38.1,85.27
Y_MOT_2B on Top: 23.45,87.67 19.85,87.67 19.85,83.67 18.55,83.67 18.55,85.52 15.85,85.52 15.84,83.67 14.55,83.67 14.55,85.87 14,85.87 14,89.97 23.45,89.97
Y_MOT_2B on Bottom: 38.1,85.86 11.95,85.87 11.95,89.97 38.1,89.97
Z_MOT_1A on Top: 23.04,116.51 23.04,113.01 26.64,113.01 26.65,110.21 17.2,110.21 17.2,114.31 17.74,114.31 17.74,116.51 19.04,116.51 19.04,114.66 21.74,114.66 21.74,116.51
Z_MOT_1A on Bottom: 15.14,114.3 38.84,114.29 39.34,110.2 15.14,110.2
Z_MOT_1B on Top: 32.16,116.81 25.44,116.81 25.44,114.95 24.15,114.95 24.15,116.81 21.44,116.81 21.44,114.95 20.14,114.95 20.14,121.74 27.27,121.74 27.27,118.46 32.16,118.46
Z_MOT_1B on Bottom: 38.8,114.92 12.72,114.9 12.72,121.76 27.27,121.76 27.27,118.48 39.34,118.48
Z_MOT_2A on Top: 20.15,104.8 21.44,104.8 21.44,102.9 24.15,102.9 24.15,104.74 25.44,104.74 25.44,102.9 29.97,102.9 29.97,99.8 20.15,99.8
Z_MOT_2A on Bottom: 39.34,99.78 12.72,99.78 12.72,104.81 39.34,104.81
Z_MOT_2B on Top: 26.65,107.21 23.04,107.21 23.04,103.2 21.74,103.2 21.74,105.06 19.04,105.06 19.04,103.2 17.74,103.2 17.74,105.4 17.2,105.4 17.2,109.5 26.65,109.5
Z_MOT_2B on Bottom: 39.34,105.4 15.14,105.4 15.14,109.5 39.34,109.5
Net-(R26-Pad1) on Top: 16.64,76.85 16.14,76.85 16.14,78.7 14.22,78.7 14.22,77.85 12.94,76.57 9.52,76.57 9.52,80.84 16.64,80.84
Net-(R27-Pad1) on Top: 16.64,62.65 9.52,62.65 9.52,66.92 12.94,66.92 14.22,65.65 14.22,64.79 16.15,64.79 16.15,66.65 16.64,66.65
Net-(R28-Pad1) on Top: 19.84,114.96 19.34,114.96 19.34,116.81 17.42,116.81 17.42,115.95 14.22,115.93 14.22,121.76 19.84,121.74
Net-(R29-Pad1) on Top: 19.84,100.76 12.72,100.76 12.72,105.03 16.14,105.03 17.42,103.75 17.42,102.9 19.34,102.9 19.34,104.76 19.84,104.76
Net-(R38-Pad1) on Top: 16.64,95.42 16.14,95.42 16.14,97.27 14.22,97.27 14.22,96.42 12.94,95.14 9.52,95.14 9.52,99.41 16.64,99.41
